# KiCad board Engine.kicad_pcb (continued)
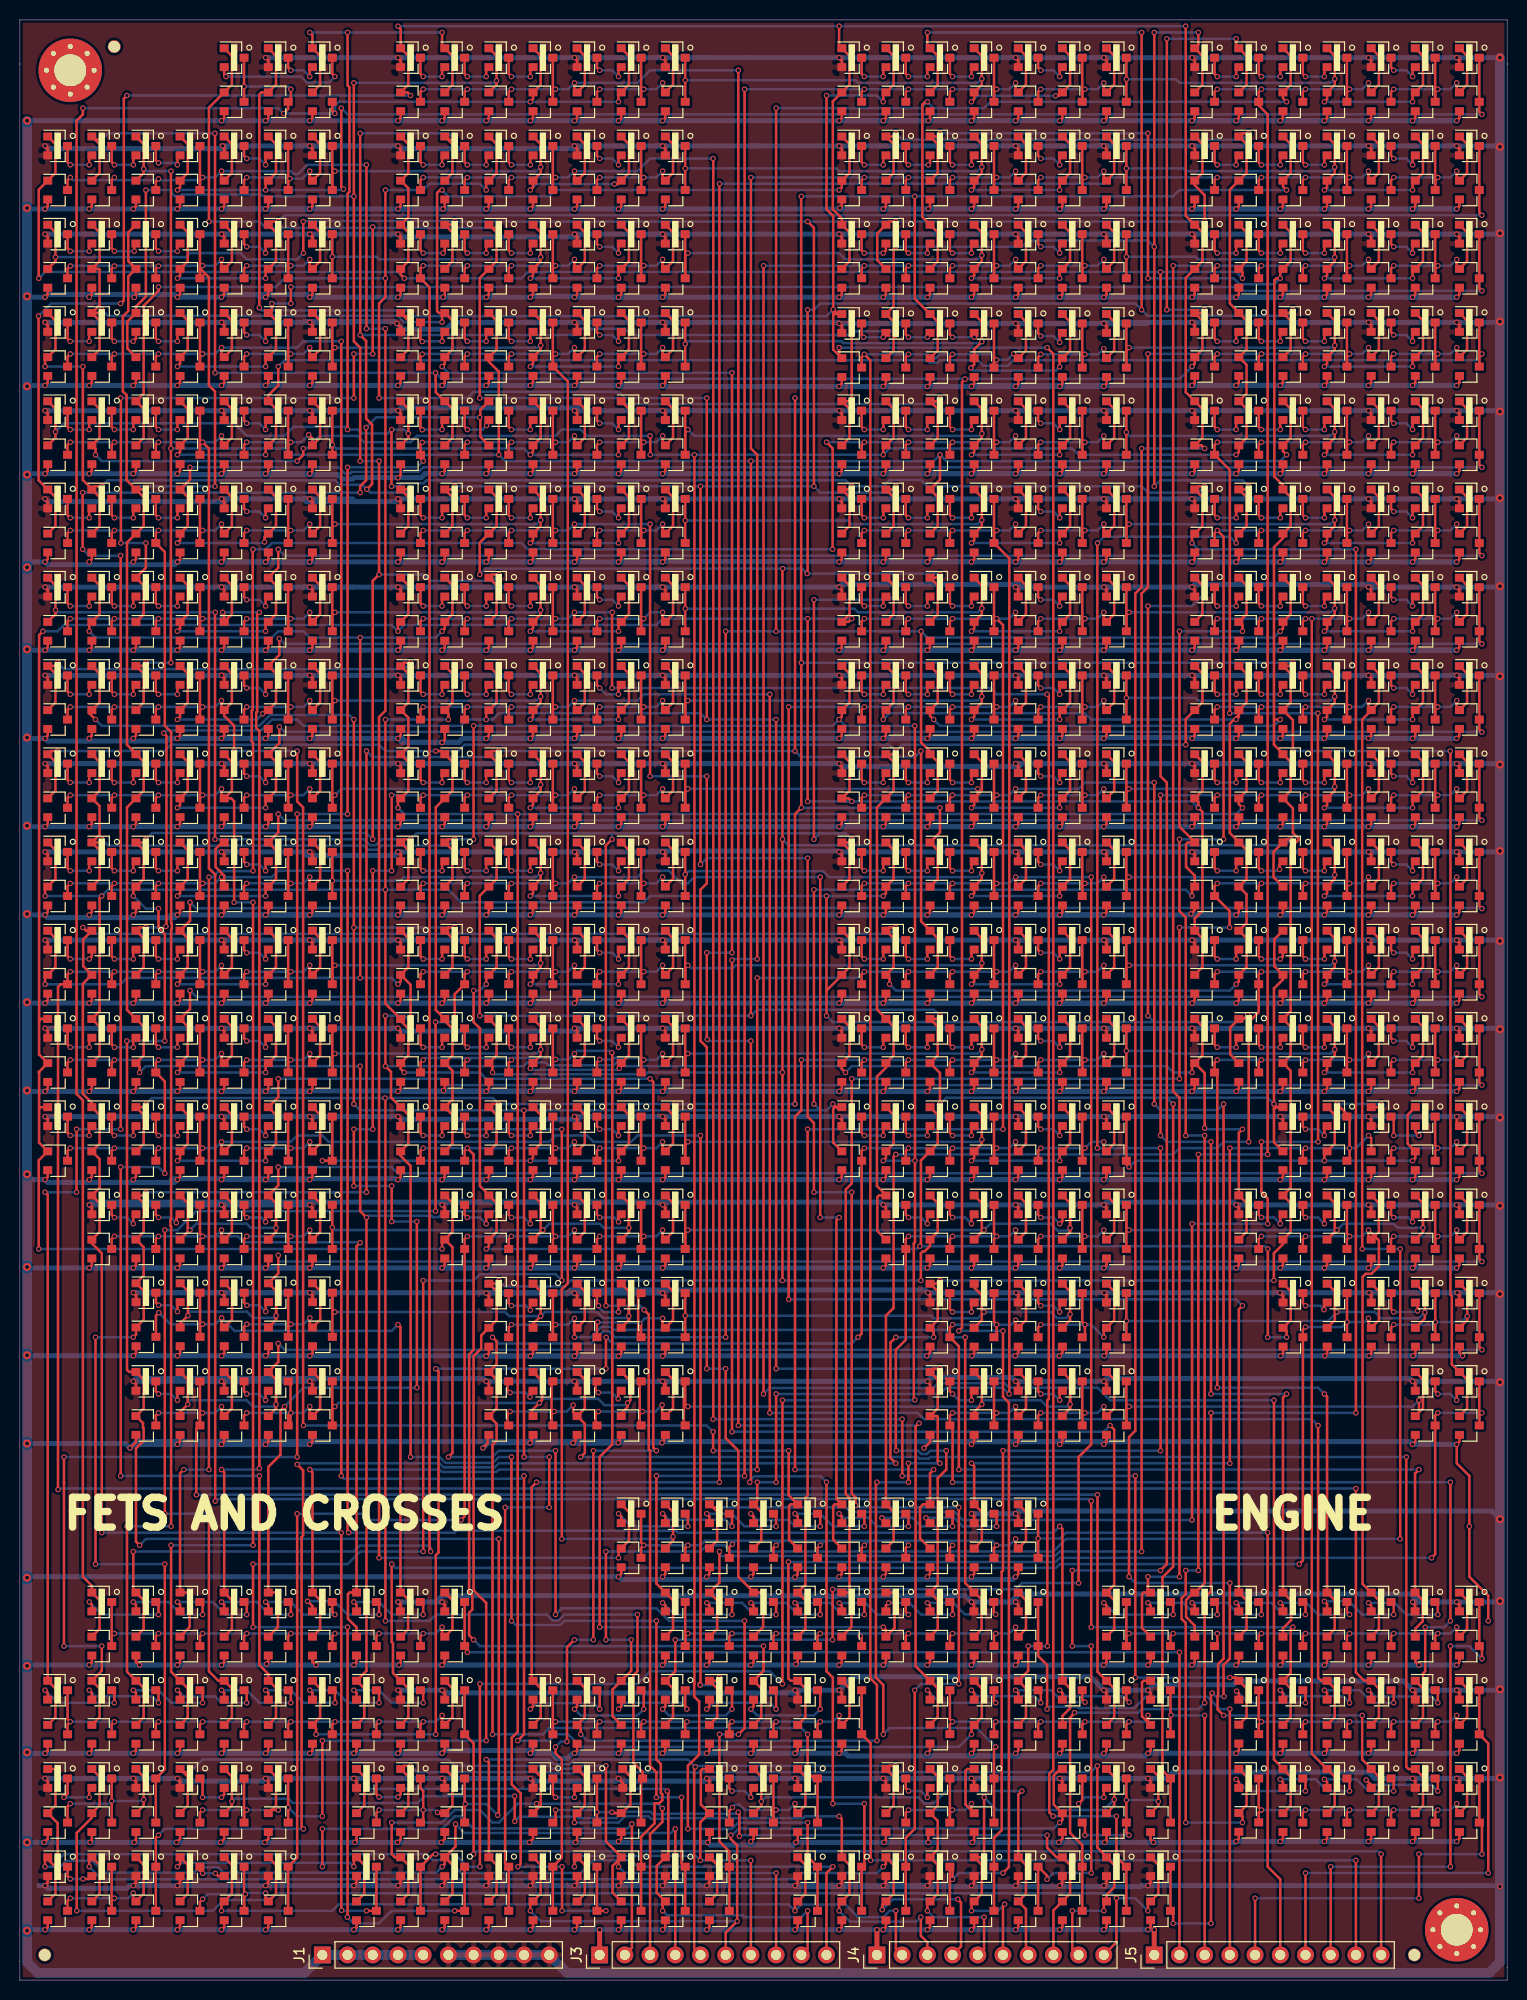
[diagram p0: board, top side]
## Routing (per net, layer and track width the routed paths; a pad name or vN(x,y) marks a point on that pad's centre or on a via; arc(x,y) is an arc through that point) (continued)
/Sheet6047D39E/OUT1: length 280.6
  Top w0.25: Q4.3 Q3.3 66.68,11.79 v1(66.68,18.41) ; Q523.1 39.15,110.95 39.15,113.84 Q525.1 38.37,114.57 38.73,114.93 v1(39.37,114.93) ; Q537.1 83.6,110.95 83.6,113.84 Q539.1 83.5,114.61 v1(83.82,114.93) ; 2.81,141.28 3.59,140.51 v1(3.59,138.02) 3.59,137.62 Q621.1 ; Q650.1 88.04,137.62 88.04,140.51 87.27,141.28 88.27,140.28 v1(88.27,139.7) ; v1(62.9,67.52) 63.37,67.05 63.37,53.47 63.5,53.34 63.5,21.59 64.14,20.95 v1(64.14,18.41) ; v1(80.01,114.93) v1(80.01,139.06) ; v1(59.67,114.93) 59.04,114.31 59.04,67.96 v1(59.05,67.94) ; v1(19.68,137.79) 19.66,137.77 v1(19.66,114.93)
  Bottom w0.25: v1(59.05,67.94) 62.48,67.94 v1(62.9,67.52) ; v1(80.01,139.06) 87.63,139.06 v1(88.27,139.7) ; v1(64.14,18.41) v1(66.68,18.41) ; v1(19.66,114.93) 34.67,114.93 35.27,114.33 35.85,114.33 36.45,114.93 v1(39.37,114.93) 39.97,115.54 59.66,115.54 ; 83.22,115.54 59.66,115.54 ; 83.22,115.54 v1(83.82,114.93) ; 83.22,115.54 80.61,115.54 v1(80.01,114.93) ; 59.66,115.54 59.66,114.95 v1(59.67,114.93) ; v1(3.59,138.02) 3.81,137.79 v1(19.68,137.79)
/Sheet6047D39E/OUT2: length 376.1
  Top w0.25: Q6.3 Q5.3 62.59,14.44 63.95,15.79 63.95,17.81 64.42,17.81 64.74,18.13 64.74,18.7 64.59,18.85 64.59,21.77 64.14,22.22 v1(64.14,36.19) ; Q243.1 123.6,75.39 123.6,78.28 Q245.1 122.83,85.36 v1(123.19,85.72) ; Q553.1 3.59,104.95 3.59,102.06 Q551.1 2.54,101.01 v1(2.54,100.33) ; Q567.1 39.15,104.95 39.15,102.06 Q565.1 ; Q565.1 38.37,100.6 v1(38.1,100.33) ; Q565.1 39.37,100.28 v1(39.37,96.52) ; Q469.1 83.6,96.06 83.6,93.17 Q467.1 82.82,91.8 v1(83.19,91.44) ; Q483.1 119.16,96.06 119.16,93.17 Q481.1 ; Q481.1 119.38,91.39 v1(119.38,85.84) ; Q481.1 118.11,92.12 v1(118.11,91.44) ; 7.26,141.28 8.03,140.51 8.03,137.62 Q622.1 6.99,136.57 v1(6.99,135.89) ; 42.81,141.28 43.59,140.51 43.59,137.62 Q636.1 42.81,136.16 v1(42.54,135.89) ; v1(34.29,100.96) v1(34.29,135.25) ; v1(39.37,52.7) 39.37,82.04 38.37,83.04 Q373.1 39.15,84.28 39.15,87.17 Q375.1 37.4,88.92 37.4,91.51 v1(36.83,92.07) v1(36.83,97.15) ; v1(49.53,36.19) v1(49.53,52.7)
  Bottom w0.25: v1(39.37,96.52) 38.73,97.15 v1(36.83,97.15) ; v1(49.53,52.7) 48.26,52.7 47.66,52.1 42.89,52.1 42.29,52.7 v1(39.37,52.7) ; v1(123.19,85.72) 119.5,85.72 v1(119.38,85.84) ; v1(6.99,135.89) 7.62,135.25 25.4,135.25 26.03,135.89 28.57,135.89 29.21,135.25 41.91,135.25 v1(42.54,135.89) ; v1(118.11,91.44) 116.2,91.44 115.57,92.07 83.82,92.07 v1(83.19,91.44) 82.55,92.07 61.07,92.07 60.69,92.46 60.11,92.46 59.81,92.16 53.26,92.16 52.96,92.46 51.14,92.46 50.76,92.07 v1(36.83,92.07) ; v1(2.54,100.33) 10.16,100.33 10.79,100.96 v1(34.29,100.96) 37.46,100.96 v1(38.1,100.33) ; v1(64.14,36.19) 54.86,36.19 54.45,35.78 49.95,35.78 v1(49.53,36.19)
/Sheet6047D39E/OUT3: length 277
  Top w0.25: Q7.3 Q8.3 v1(59.05,6.98) ; Q512.1 123.6,122.73 123.6,119.84 Q510.1 122.83,118.47 v1(123.19,118.11) ; Q677.1 3.59,128.73 3.59,131.62 Q679.1 3.49,132.39 v1(3.81,132.71) ; v1(54.63,11.43) v1(54.63,6.98) ; v1(39.37,132.71) 38.69,132.71 Q693.1 39.15,131.62 39.15,128.73 Q691.1 39.15,127.17 39.15,124.28 Q609.1 39.15,122.73 39.15,119.84 Q607.1 38.1,118.79 v1(38.1,118.11) ; v1(50.19,11.43) 50.46,11.71 50.46,18.83 49.56,19.72 49.56,24.42 50.16,25.02 v1(50.16,117.47)
  Bottom w0.25: v1(38.1,118.11) 38.73,117.47 v1(50.16,117.47) 122.55,117.47 v1(123.19,118.11) ; v1(54.63,6.98) v1(59.05,6.98) ; v1(39.37,132.71) 38.73,132.08 4.44,132.08 v1(3.81,132.71) ; v1(50.19,11.43) v1(54.63,11.43)
/Sheet6047D39E/OUT4: length 409.3
  Top w0.25: Q10.3 Q9.3 54.61,12.33 54.61,22.22 53.98,22.86 v1(53.98,23.5) ; Q540.1 88.04,113.84 88.04,110.95 Q538.1 87.27,109.49 v1(87,109.22) ; Q581.1 3.59,113.84 3.59,110.95 Q579.1 2.54,109.9 v1(2.54,109.22) ; Q413.1 83.6,104.95 83.6,102.06 Q411.1 82.82,101.23 81.28,99.69 ; Q440.1 8.03,93.17 8.03,96.06 Q442.1 8.03,97.61 8.03,109 v1(8.26,109.22) ; Q663.1 119.16,137.62 119.16,140.51 118.38,141.28 119.38,140.28 v1(119.38,139.7) ; Q694.1 43.59,131.62 43.59,128.73 Q692.1 43.18,127.58 v1(43.18,127) ; Q482.1 121.95,93.26 121.95,95.96 Q484.1 123.29,96.83 v1(123.72,97.26) ; v1(113.67,97.15) v1(113.67,138.43) ; v1(55.88,34.29) 55.13,33.54 v1(55.13,24.03) 55.24,24.15 ; v1(57.79,53.34) v1(57.79,34.29) ; 81.28,99.69 v1(81.28,109.22) ; 81.28,99.69 v1(81.28,97.15) ; v1(64.14,53.34) 63.82,53.65 63.82,90.48 v1(63.5,90.8) ; v1(36.83,127) v1(36.83,109.85) 36.83,98.37 Q455.1 38.37,96.63 39.15,95.86 39.15,93.17 Q453.1 38.37,91.8 v1(38.73,91.44)
  Bottom w0.25: v1(38.73,91.44) 46.35,91.44 46.99,90.8 v1(63.5,90.8) ; 114.3,96.52 122.98,96.52 v1(123.72,97.26) ; 114.3,96.52 81.92,96.52 v1(81.28,97.15) ; 114.3,96.52 v1(113.67,97.15) ; v1(113.67,138.43) 118.11,138.43 v1(119.38,139.7) ; v1(36.83,127) v1(43.18,127) ; 81.92,109.22 63.5,109.22 62.87,108.58 44.45,108.58 43.18,109.85 v1(36.83,109.85) 8.89,109.85 v1(8.26,109.22) v1(2.54,109.22) ; 81.92,109.22 v1(87,109.22) ; 81.92,109.22 v1(81.28,109.22) ; v1(64.14,53.34) v1(57.79,53.34) ; v1(53.98,23.5) 54.51,24.03 v1(55.13,24.03) ; v1(57.79,34.29) v1(55.88,34.29)
/Sheet6047D39E/OUT5: length 333.6
  Top w0.25: Q12.3 Q11.3 48.9,11.79 v1(48.9,47.62) ; Q566.1 43.59,102.06 43.59,104.95 Q568.1 43.13,106.04 v1(43.81,106.04) ; 122.83,141.28 123.6,140.51 123.6,137.62 Q664.1 123.19,136.47 v1(123.19,135.89) ; Q680.1 8.03,131.62 8.03,128.73 Q678.1 7.26,127.9 6.99,127.63 v1(7.62,127) ; v1(116.84,135.89) 116.84,116.2 118.38,114.66 Q595.1 117.68,114.61 117.51,114.44 117.51,112.15 118.38,111.28 Q593.1 118.11,109.9 v1(118.11,109.22) ; v1(53.34,47.62) v1(53.34,52.7) ; v1(50.78,87.63) 50.8,87.61 v1(50.8,52.7) ; v1(33.66,127) v1(33.66,106.04) v1(33.66,88.26) ; v1(80.01,109.85) v1(80.01,88.26) ; v1(81.92,88.26) 82.23,87.94 Q389.1 82.12,87.94 81.95,87.77 81.95,84.37 Q387.1
  Bottom w0.25: v1(118.11,109.22) 117.48,109.85 v1(80.01,109.85) ; v1(53.34,52.7) v1(50.8,52.7) ; v1(33.66,127) 33.2,127.45 25.23,127.45 24.14,126.36 8.26,126.36 v1(7.62,127) ; 80.65,87.63 34.29,87.63 v1(33.66,88.26) ; 80.65,87.63 81.28,87.63 v1(81.92,88.26) ; 80.65,87.63 v1(80.01,88.26) ; v1(48.9,47.62) v1(53.34,47.62) ; v1(116.84,135.89) v1(123.19,135.89) ; v1(33.66,106.04) v1(43.81,106.04)
/Sheet6047D39E/OUT6: length 376.4
  Top w0.25: Q13.3 Q14.3 v1(43.81,6.98) ; Q721.1 119.16,131.62 119.16,128.73 Q719.1 117.48,127.04 v1(117.48,124.46) ; Q733.1 3.59,119.84 3.59,122.73 Q735.1 3.13,123.82 v1(3.81,123.82) ; Q374.1 43.59,84.28 43.59,85.95 ; 43.59,85.95 v1(43.81,85.72) ; 43.59,85.95 43.59,87.17 Q376.1 43.59,88.72 43.59,91.61 Q454.1 43.59,93.17 43.59,95.86 42.81,96.63 Q456.1 41.91,97.74 41.91,118.15 Q608.1 43.59,119.84 43.59,122.73 Q610.1 42.49,123.82 v1(41.91,123.82) ; v1(88.27,123.82) 87.95,123.5 Q498.1 88.04,122.73 88.04,119.84 Q496.1 86.36,118.15 86.36,97.79 87.27,96.88 Q470.1 88.04,96.06 88.04,93.17 Q468.1 87.27,91.93 86.36,91.02 86.36,80.01 87.27,79.1 Q281.1 86.57,79.05 86.39,78.88 86.39,75.48 Q279.1 ; v1(33.02,35.56) 33.02,6.37 v1(33,6.35) ; v1(23.49,35.56) v1(23.49,41.91) ; v1(54.61,85.72) v1(54.61,70.48) ; v1(40.64,43.18) v1(40.64,70.48)
  Bottom w0.25: v1(54.61,85.72) v1(43.81,85.72) ; v1(40.64,43.18) 34.29,43.18 33.02,41.91 v1(23.49,41.91) ; v1(33,6.35) 33.63,5.72 36.2,5.72 37.46,6.98 v1(43.81,6.98) ; v1(33.02,35.56) v1(23.49,35.56) ; v1(54.61,70.48) 53.98,71.12 46.35,71.12 45.72,70.48 v1(40.64,70.48) ; v1(117.48,124.46) 88.9,124.46 v1(88.27,123.82) 87.63,124.46 44.81,124.46 44.17,123.82 v1(41.91,123.82) 36.83,123.82 36.2,124.46 15.22,124.46 14.59,123.82 v1(3.81,123.82)
/Sheet6047D39E/OUT7: length 304.3
  Top w0.25: Q16.3 Q15.3 41.64,12.7 v1(41.89,12.7) ; Q524.1 43.59,110.95 43.59,113.84 Q526.1 43.13,114.93 v1(43.81,114.93) ; Q582.1 8.03,113.84 8.03,110.95 Q580.1 ; Q582.1 7.94,114.61 v1(8.26,114.93) ; Q582.1 8.03,115.39 8.03,118.28 Q734.1 8.03,119.84 8.03,122.73 Q736.1 ; Q707.1 83.6,131.62 83.6,128.73 Q705.1 82.82,127.27 v1(82.55,127) ; Q390.1 88.04,87.17 88.04,84.28 Q388.1 87.27,82.82 v1(87,82.55) ; v1(45.72,126.36) v1(45.72,114.93) ; v1(76.84,29.84) v1(76.84,58.42) ; v1(46.35,29.84) v1(46.35,11.43) ; 90.17,58.42 90.19,58.44 v1(90.19,58.45) 90.08,58.57 90.08,74.23 90.19,74.34 v1(90.19,82.55) 90.19,123.53 90.18,123.54 90.18,126.35 v1(90.17,126.36)
  Bottom w0.25: v1(45.72,126.36) 81.92,126.36 v1(82.55,127) 83.19,126.36 v1(90.17,126.36) ; v1(76.84,58.42) 90.16,58.42 v1(90.19,58.45) ; v1(76.84,29.84) 75.57,31.11 63.5,31.11 62.23,29.84 v1(46.35,29.84) ; v1(41.89,12.7) 43.81,12.7 45.09,11.43 v1(46.35,11.43) ; v1(87,82.55) v1(90.19,82.55) ; v1(45.72,114.93) v1(43.81,114.93) 43.18,114.3 36.45,114.3 36.03,113.88 35.09,113.88 34.67,114.3 8.89,114.3 v1(8.26,114.93)
/Sheet6047D39E/OUT8: length 339.7
  Top w0.25: Q17.3 Q18.3 v1(34.92,6.98) ; Q708.1 88.04,131.62 88.04,128.73 Q706.1 87,127.68 v1(87,127) ; Q722.1 123.6,131.62 123.6,128.73 Q720.1 ; Q720.1 122.83,127.49 121.92,126.58 121.92,115.57 122.83,114.66 Q596.1 123.6,113.84 123.6,110.95 Q594.1 123.6,109.39 123.6,106.5 Q428.1 123.6,104.95 123.6,102.06 Q426.1 122.83,100.6 v1(122.55,100.33) ; Q720.1 122.83,127.27 v1(122.55,127) ; v1(87.63,100.33) 87.63,100.91 Q412.1 88.04,102.06 88.04,104.95 Q414.1 87.59,106.04 v1(88.27,106.04) ; v1(32.42,7.03) 32.38,7.07 v1(32.38,45.08) ; v1(8.26,45.08) 8.26,73.22 7.26,74.22 Q255.1 8.03,75.39 8.03,78.28 Q257.1 8.03,79.83 8.03,82.72 Q360.1 8.03,84.28 8.03,87.17 Q362.1 7.26,88.38 6.35,89.28 6.35,100.37 Q552.1 6.38,102.15 6.38,104.85 Q554.1 6.67,105.72 v1(6.35,106.04)
  Bottom w0.25: v1(32.42,7.03) 32.47,6.98 v1(34.92,6.98) ; v1(6.35,106.04) 6.99,105.41 87.63,105.41 v1(88.27,106.04) ; v1(122.55,100.33) 121.92,99.69 88.27,99.69 v1(87.63,100.33) ; v1(8.26,45.08) v1(32.38,45.08) ; v1(87,127) 87.63,127.63 107.32,127.63 107.95,127 v1(122.55,127)
/sheet6055E6A3/Block: length 46.8
  Top w0.25: Q836.1 52.48,176.07 v1(52.48,173.58) 52.48,173.18 Q838.1 51.7,171.72 v1(51.43,171.45) ; Q843.1 61.37,176.07 61.37,173.18 Q844.1 60.32,172.13 v1(60.32,171.45) ; Q1069.3 v1(31.48,173.62) Q1070.3
  Bottom w0.25: v1(51.43,171.45) v1(60.32,171.45) ; v1(52.48,173.58) 52.26,173.35 36.2,173.35 35.92,173.62 v1(31.48,173.62)
/sheet6055E6A3/sheet606C7A55/Block: length 48.6
  Top w0.25: Q920.1 132.49,167.18 v1(132.49,164.69) 132.49,164.29 Q922.1 131.72,162.83 v1(131.44,162.56) ; Q927.1 141.38,167.18 141.38,164.29 Q928.1 140.33,163.24 v1(140.33,162.56) ; Q909.3 Q910.3 111.49,164.19 v1(111.76,164.47)
  Bottom w0.25: v1(131.44,162.56) v1(140.33,162.56) ; v1(132.49,164.69) 132.27,164.47 v1(111.76,164.47)
/sheet6055E6A3/sheet606C7A55/sheet6054A98B/sheet5E562435/A: length 20
  Top w0.25: Q923.1 145.83,167.18 145.83,164.29 Q924.1 144.78,163.78 v1(144.78,164.47) ; Q927.3 Q928.3 142.6,163.56 v1(142.88,163.83) ; v1(138.43,163.83) 138.16,163.56 Q925.3
  Bottom w0.25: v1(138.43,163.83) v1(142.88,163.83) 144.14,163.83 v1(144.78,164.47)
/sheet6055E6A3/sheet606C7A56/Block: length 153.4
  Top w0.25: Q923.3 Q924.3 147.05,163.56 v1(147.32,163.83) ; 16.15,159.06 16.92,158.29 16.92,155.4 Q936.1 16.15,153.94 v1(15.87,153.67) ; v1(24.77,153.67) 24.77,154.35 Q942.1 25.81,155.4 25.81,158.29 25.03,159.06 25.03,159.66 26.03,160.66 v1(26.03,162.56)
  Bottom w0.25: v1(15.87,153.67) v1(24.77,153.67) ; v1(147.32,163.83) 146.69,163.19 100.1,163.19 99.54,162.63 97.08,162.63 96.52,163.19 92.71,163.19 92.45,162.93 91.7,162.93 91.44,163.19 26.67,163.19 v1(26.03,162.56)
/sheet6055E6A3/sheet606C7A56/sheet6054A98B/sheet5E562435/A: length 20.1
  Top w0.25: 29.48,159.06 30.26,158.29 30.26,155.4 Q938.1 29.48,155.31 v1(29.1,155.68) ; Q941.3 Q942.3 27.03,154.67 v1(27.3,154.94) ; v1(22.86,154.94) 22.59,154.67 Q939.3
  Bottom w0.25: v1(22.86,154.94) v1(27.3,154.94) 28.36,154.94 v1(29.1,155.68)
/sheet6055E6A3/sheet606C7A57/Block: length 46
  Top w0.25: 51.7,159.06 52.48,158.29 52.48,155.4 Q950.1 51.7,153.94 v1(51.43,153.67) ; 60.59,159.06 61.37,158.29 61.37,155.4 Q956.1 60.32,154.35 v1(60.32,153.67) ; Q937.3 v1(31.48,154.67) Q938.3
  Bottom w0.25: v1(60.32,153.67) v1(51.43,153.67) 50.8,154.31 31.84,154.31 v1(31.48,154.67)
/sheet6055E6A3/sheet606C7A57/sheet6054A98B/sheet5E562435/A: length 20
  Top w0.25: 65.04,159.06 65.82,158.29 65.82,155.4 Q952.1 64.77,154.89 v1(64.77,155.57) ; Q955.3 Q956.3 62.59,154.67 v1(62.87,154.94) ; v1(58.42,154.94) 58.15,154.67 Q953.3
  Bottom w0.25: v1(58.42,154.94) v1(62.87,154.94) 64.14,154.94 v1(64.77,155.57)
/sheet6055E6A3/sheet6071E22D/Block: length 151.9
  Top w0.25: Q867.3 Q868.3 147.05,170.45 v1(147.32,170.18) ; Q878.1 16.92,167.18 16.92,164.29 Q880.1 16.15,162.83 v1(15.87,162.56) ; v1(24.77,162.56) 24.77,163.24 Q886.1 25.81,164.29 25.81,167.18 Q885.1 25.4,168.32 v1(25.4,168.91) ; v1(27.3,170.57) v1(27.3,168.91)
  Bottom w0.25: v1(15.87,162.56) v1(24.77,162.56) ; v1(27.3,170.57) 122.54,170.57 122.94,170.18 v1(147.32,170.18) ; v1(27.3,168.91) v1(25.4,168.91)
/sheet6055E6A3/sheet6071E22D/sheet6054A98B/sheet5E562435/A: length 20
  Top w0.25: Q881.1 30.26,167.18 30.26,164.29 Q882.1 29.21,163.78 v1(29.21,164.47) ; Q885.3 Q886.3 27.03,163.56 v1(27.3,163.83) ; v1(22.86,163.83) 22.59,163.56 Q883.3
  Bottom w0.25: v1(22.86,163.83) v1(27.3,163.83) 28.57,163.83 v1(29.21,164.47)
/sheet6055E6A3/sheet6071E22E/Block: length 48.5
  Top w0.25: Q881.3 Q882.3 31.48,164.19 v1(31.75,164.47) ; Q892.1 52.48,167.18 v1(52.48,164.69) 52.48,164.29 Q894.1 51.7,162.83 v1(51.43,162.56) ; Q899.1 61.37,167.18 61.37,164.29 Q900.1 60.32,163.24 v1(60.32,162.56)
  Bottom w0.25: v1(51.43,162.56) v1(60.32,162.56) ; v1(31.75,164.47) 52.26,164.47 v1(52.48,164.69)
/sheet6055E6A3/sheet6071E22E/sheet6054A98B/sheet5E562435/A: length 20
  Top w0.25: Q895.1 65.82,167.18 65.82,164.29 Q896.1 64.77,163.78 v1(64.77,164.47) ; Q899.3 Q900.3 62.59,163.56 v1(62.87,163.83) ; v1(58.42,163.83) 58.15,163.56 Q897.3
  Bottom w0.25: v1(58.42,163.83) v1(62.87,163.83) 64.14,163.83 v1(64.77,164.47)
/sheet6055E6A3/sheet6071E22F/Block: length 56.1
  Top w0.25: Q913.1 105.82,167.07 105.82,164.18 Q914.1 104.78,163.13 v1(104.78,162.53) ; Q906.1 96.93,167.07 v1(96.93,165.07) 96.16,164.29 Q908.1 96.16,162.76 v1(95.82,162.43) ; Q896.3 v1(67.04,164.83) Q895.3
  Bottom w0.25: v1(104.78,162.53) 104.4,162.15 96.1,162.15 v1(95.82,162.43) ; v1(67.04,164.83) 67.31,165.1 82.8,165.1 82.99,164.92 96.78,164.92 v1(96.93,165.07)
/sheet6055E6A3/sheet6071E22F/sheet6054A98B/sheet5E562435/A: length 20.1
  Top w0.25: Q909.1 110.27,167.07 110.27,164.18 Q910.1 109.22,163.67 v1(109.22,164.36) ; Q913.3 Q914.3 107.05,163.53 v1(107.32,163.8) ; v1(102.87,163.8) 102.6,163.53 Q911.3
  Bottom w0.25: v1(102.87,163.8) v1(107.32,163.8) 108.66,163.8 v1(109.22,164.36)
/sheet6055E6A3/sheet60719C5D/sheet6054A98B/sheet5E562435/A: length 20
  Top w0.25: Q839.1 65.82,176.07 65.82,173.18 Q840.1 64.77,172.67 v1(64.77,173.35) ; Q843.3 Q844.3 62.59,172.45 v1(62.87,172.72) ; v1(58.42,172.72) 58.15,172.45 Q841.3
  Bottom w0.25: v1(58.42,172.72) v1(62.87,172.72) 64.14,172.72 v1(64.77,173.35)
/sheet6055E6A3/sheet60719C5E/Block: length 58.3
  Top w0.25: Q839.3 Q840.3 67.04,173.72 v1(67.31,173.99) ; Q850.1 96.93,176.07 v1(96.93,173.77) 96.93,173.18 Q852.1 96.16,171.72 v1(95.89,171.45) ; Q857.1 105.82,176.07 105.82,173.18 Q858.1 104.78,172.13 v1(104.78,171.45)
  Bottom w0.25: v1(95.89,171.45) v1(104.78,171.45) ; v1(96.93,173.77) 96.52,173.35 83.19,173.35 82.55,173.99 v1(67.31,173.99)
/sheet6055E6A3/sheet60719C5E/sheet6054A98B/sheet5E562435/A: length 20
  Top w0.25: Q853.1 110.27,176.07 110.27,173.18 Q854.1 109.22,172.67 v1(109.22,173.35) ; Q857.3 Q858.3 107.05,172.45 v1(107.32,172.72) ; v1(102.87,172.72) 102.6,172.45 Q855.3
  Bottom w0.25: v1(102.87,172.72) v1(107.32,172.72) 108.59,172.72 v1(109.22,173.35)
/sheet6055E6A3/sheet60719C5F/Block: length 46.8
  Top w0.25: Q864.1 132.49,176.07 v1(132.49,173.58) 132.49,173.18 Q866.1 131.72,171.72 v1(131.44,171.45) ; Q871.1 141.38,176.07 141.38,173.18 Q872.1 140.33,172.13 v1(140.33,171.45) ; Q854.3 v1(111.49,173.62) Q853.3
  Bottom w0.25: v1(131.44,171.45) v1(140.33,171.45) ; v1(132.49,173.58) 132.27,173.35 118.75,173.35 118.48,173.62 v1(111.49,173.62)
/sheet6055E6A3/sheet60719C5F/sheet6054A98B/sheet5E562435/A: length 20
  Top w0.25: Q867.1 145.83,176.07 145.83,173.18 Q868.1 144.78,172.67 v1(144.78,173.35) ; Q871.3 Q872.3 142.6,172.45 v1(142.88,172.72) ; v1(138.43,172.72) 138.16,172.45 Q869.3
  Bottom w0.25: v1(138.43,172.72) v1(142.88,172.72) 144.14,172.72 v1(144.78,173.35)
/sheet6058F8AB/Block: length 58.3
  Top w0.25: Q951.3 Q952.3 67.04,155.94 v1(67.31,156.21) ; 96.16,159.06 96.93,158.29 v1(96.93,155.8) 96.93,155.4 Q754.1 96.16,153.94 v1(95.89,153.67) ; 105.05,159.06 105.82,158.29 105.82,155.4 Q760.1 104.78,154.35 v1(104.78,153.67)
  Bottom w0.25: v1(95.89,153.67) v1(104.78,153.67) ; v1(67.31,156.21) 67.95,155.57 96.71,155.57 v1(96.93,155.8)
/sheet6058F8AB/sheet606D52B7/sheet6054A98B/sheet5E562435/A: length 20
  Top w0.25: 109.49,159.06 110.27,158.29 110.27,155.4 Q756.1 109.22,154.89 v1(109.22,155.57) ; Q759.3 Q760.3 107.05,154.67 v1(107.32,154.94) ; v1(102.87,154.94) 102.6,154.67 Q757.3
  Bottom w0.25: v1(109.22,155.57) 108.59,154.94 v1(107.32,154.94) v1(102.87,154.94)
/sheet6058F8AB/sheet606D52B8/Block: length 47
  Top w0.25: 131.72,159.06 132.49,158.29 v1(132.49,155.99) 132.49,155.4 Q768.1 131.72,153.94 v1(131.44,153.67) ; 140.6,159.06 141.38,158.29 141.38,155.4 Q774.1 140.33,154.35 v1(140.33,153.67) ; Q756.3 v1(111.49,155.94) Q755.3
  Bottom w0.25: v1(131.44,153.67) v1(140.33,153.67) ; v1(132.49,155.99) 132.08,155.57 111.76,155.57 111.49,155.84 v1(111.49,155.94)
/sheet6058F8AB/sheet606D52B8/sheet6054A98B/sheet5E562435/A: length 20
  Top w0.25: 145.05,159.06 145.83,158.29 145.83,155.4 Q770.1 144.78,154.89 v1(144.78,155.57) ; Q773.3 Q774.3 142.6,154.67 v1(142.88,154.94) ; v1(138.43,154.94) 138.16,154.67 Q771.3
  Bottom w0.25: v1(138.43,154.94) v1(142.88,154.94) 144.14,154.94 v1(144.78,155.57)
/sheet6058F8AB/sheet606D52B9/Block: length 160.2
  Top w0.25: Q769.3 Q770.3 147.05,152.67 v1(147.32,152.4) ; Q787.1 25.81,149.4 25.81,146.51 Q788.1 24.66,145.35 v1(24.66,144.89) ; v1(15.87,144.78) 16.15,145.05 Q782.1 16.92,146.51 16.92,149.4 Q780.1 17.14,151.17 v1(17.14,152.4)
  Bottom w0.25: v1(15.87,144.78) 24.55,144.78 v1(24.66,144.89) ; v1(17.14,152.4) 32.13,152.4 32.73,151.8 33.31,151.8 33.46,151.95 40.19,151.95 40.64,152.4 v1(147.32,152.4)
/sheet6058F8AB/sheet606D52B9/sheet6054A98B/sheet5E562435/A: length 20
  Top w0.25: Q783.1 30.26,149.4 30.26,146.51 Q784.1 29.21,146 v1(29.21,146.69) ; Q787.3 Q788.3 27.03,145.78 v1(27.3,146.05) ; v1(22.86,146.05) 22.59,145.78 Q785.3
  Bottom w0.25: v1(22.86,146.05) v1(27.3,146.05) 28.57,146.05 v1(29.21,146.69)
/sheet6058F8AB/sheet606D52BA/Block: length 48.5
  Top w0.25: Q783.3 Q784.3 31.48,146.41 v1(31.75,146.69) ; Q794.1 52.48,149.4 v1(52.48,147.1) 52.48,146.51 Q796.1 51.7,145.05 v1(51.43,144.78) ; Q801.1 61.37,149.4 61.37,146.51 Q802.1 60.32,145.46 v1(60.32,144.78)
  Bottom w0.25: v1(51.43,144.78) v1(60.32,144.78) ; v1(52.48,147.1) 52.07,146.69 v1(31.75,146.69)
/sheet6058F8AB/sheet606D52BA/sheet6054A98B/sheet5E562435/A: length 20
  Top w0.25: Q797.1 65.82,149.4 65.82,146.51 Q798.1 64.77,146 v1(64.77,146.69) ; Q801.3 Q802.3 62.59,145.78 v1(62.87,146.05) ; v1(58.42,146.05) 58.15,145.78 Q799.3
  Bottom w0.25: v1(58.42,146.05) v1(62.87,146.05) 64.14,146.05 v1(64.77,146.69)
/sheet6058F8AB/sheet606D52BB/Block: length 55.8
  Top w0.25: Q808.1 96.93,149.4 v1(96.93,147.1) 96.93,146.51 Q810.1 96.16,145.05 v1(95.89,144.78) ; Q815.1 105.82,149.4 105.82,146.51 Q816.1 104.78,145.46 v1(104.78,144.78) ; Q797.3 v1(67.04,147.05) Q798.3
  Bottom w0.25: v1(95.89,144.78) v1(104.78,144.78) ; v1(96.93,147.1) 96.52,146.69 83.82,146.69 83.45,147.05 v1(67.04,147.05)
/sheet6058F8AB/sheet606D52BB/sheet6054A98B/sheet5E562435/A: length 20
  Top w0.25: Q811.1 110.27,149.4 110.27,146.51 Q812.1 109.22,146 v1(109.22,146.69) ; Q815.3 Q816.3 107.05,145.78 v1(107.32,146.05) ; v1(102.87,146.05) 102.6,145.78 Q813.3
  Bottom w0.25: v1(102.87,146.05) v1(107.32,146.05) 108.59,146.05 v1(109.22,146.69)
/sheet6058F8AB/sheet606D52BC/Block: length 48.5
  Top w0.25: Q811.3 Q812.3 111.49,146.41 v1(111.76,146.69) ; Q822.1 132.49,149.4 v1(132.49,147.1) 132.49,146.51 Q824.1 131.72,145.05 v1(131.44,144.78) ; Q829.1 141.38,149.4 141.38,146.51 Q830.1 140.33,145.46 v1(140.33,144.78)
  Bottom w0.25: v1(131.44,144.78) v1(140.33,144.78) ; v1(132.49,147.1) 132.08,146.69 v1(111.76,146.69)
/sheet6058F8AB/sheet606D52BC/sheet6054A98B/sheet5E562435/A: length 20
  Top w0.25: Q825.1 145.83,149.4 145.83,146.51 Q826.1 144.78,146 v1(144.78,146.69) ; Q829.3 Q830.3 142.6,145.78 v1(142.88,146.05) ; v1(138.43,146.05) 138.16,145.78 Q827.3
  Bottom w0.25: v1(138.43,146.05) v1(142.88,146.05) 144.14,146.05 v1(144.78,146.69)
/sheet6073F2C8/Block: length 151.8
  Top w0.25: Q489.3 Q490.3 147.05,90.44 v1(147.32,90.17) ; Q364.1 16.92,87.17 16.92,84.28 Q366.1 16.15,82.82 v1(15.87,82.55) ; v1(24.77,82.55) 24.77,83.23 Q372.1 25.81,84.28 25.81,87.17 Q371.1 26.03,88.94 v1(26.03,90.8)
  Bottom w0.25: v1(15.87,82.55) v1(24.77,82.55) ; v1(26.03,90.8) 42.38,90.8 43.01,90.17 v1(147.32,90.17)
/sheet6073F2C8/sheet606FFAAD/sheet6054A98B/sheet5E562435/A: length 20
  Top w0.25: Q367.1 30.26,87.17 30.26,84.28 Q368.1 29.21,83.77 v1(29.21,84.45) ; Q371.3 Q372.3 27.03,83.55 v1(27.3,83.82) ; v1(22.86,83.82) 22.59,83.55 Q369.3
  Bottom w0.25: v1(22.86,83.82) v1(27.3,83.82) 28.57,83.82 v1(29.21,84.45)
/sheet6073F2C8/sheet606FFAAE/Block: length 47.6
  Top w0.25: Q367.3 Q368.3 v1(30.48,82.55) ; Q378.1 52.48,87.17 52.48,84.28 Q380.1 51.7,82.82 v1(51.43,82.55) ; Q385.1 61.37,87.17 61.37,84.28 Q386.1 60.32,83.23 v1(60.32,82.55)
  Bottom w0.25: v1(60.32,82.55) v1(51.43,82.55) v1(30.48,82.55)
/sheet6073F2C8/sheet606FFAAE/sheet6054A98B/sheet5E562435/A: length 20
  Top w0.25: Q381.1 65.82,87.17 65.82,84.28 Q382.1 64.77,83.77 v1(64.77,84.45) ; Q385.3 Q386.3 62.59,83.55 v1(62.87,83.82) ; v1(58.42,83.82) 58.15,83.55 Q383.3
  Bottom w0.25: v1(58.42,83.82) v1(62.87,83.82) 64.14,83.82 v1(64.77,84.45)
/sheet6073F2C8/sheet606FFAAF/Block: length 57.4
  Top w0.25: Q381.3 Q382.3 67.04,84.18 v1(67.31,84.45) ; Q392.1 96.93,87.17 v1(96.93,84.68) 96.93,84.28 Q394.1 96.16,82.82 v1(95.89,82.55) ; Q399.1 105.82,87.17 105.82,84.28 Q400.1 104.78,83.23 v1(104.78,82.55)
  Bottom w0.25: v1(95.89,82.55) v1(104.78,82.55) ; v1(67.31,84.45) 96.71,84.45 v1(96.93,84.68)
/sheet6073F2C8/sheet606FFAAF/sheet6054A98B/sheet5E562435/A: length 20
  Top w0.25: Q395.1 110.27,87.17 110.27,84.28 Q396.1 109.22,83.77 v1(109.22,84.45) ; Q399.3 Q400.3 107.05,83.55 v1(107.32,83.82) ; v1(102.87,83.82) 102.6,83.55 Q397.3
  Bottom w0.25: v1(102.87,83.82) v1(107.32,83.82) 107.95,84.45 v1(109.22,84.45)
/sheet6073F2C8/sheet60758AB2/Block: length 46.3
  Top w0.25: Q395.3 Q396.3 111.49,82.18 v1(111.76,81.91) ; Q409.1 132.49,87.17 132.49,84.28 Q410.1 131.44,83.23 v1(131.44,82.55) ; Q405.1 139.83,87.17 139.83,84.28 Q406.1 140.6,82.82 v1(140.33,82.55)
  Bottom w0.25: v1(111.76,81.91) 112.4,82.55 v1(131.44,82.55) v1(140.33,82.55)
/sheet6073F2C8/sheet60758AB2/sheet6054A98B/sheet5E562435/A: length 18.8
  Top w0.25: v1(138.43,83.82) 138.16,83.55 Q403.3 ; Q401.1 145.83,87.17 145.83,84.28 Q402.1 144.78,83.77 v1(144.78,84.45) ; Q406.3 142.6,83.55 v1(142.88,83.82) 142.6,84.09 Q405.3
  Bottom w0.25: v1(138.43,83.82) v1(142.88,83.82) 144.14,83.82 v1(144.78,84.45)
/sheet6079A94F/Block: length 153.6
  Top w0.25: Q237.3 Q238.3 147.05,72.66 v1(147.32,72.39) ; 25.82,69.43 25.82,66.53 ; 25.82,69.43 Q289.1 26.03,71.19 v1(26.03,73.02) ; 25.82,69.43 v1(25.82,66.94) 25.82,66.53 ; 25.82,66.53 Q290.1 ; Q293.1 16.93,69.43 v1(16.93,66.94) 16.16,66.16 Q294.1
  Bottom w0.25: v1(16.93,66.94) 16.93,67.12 17.16,67.35 22.87,67.35 23.51,66.71 25.6,66.71 v1(25.82,66.94) ; v1(147.32,72.39) 26.03,72.39 v1(26.03,73.02)
/sheet6079A94F/sheet607A4A2C/Block: length 47.5
  Top w0.25: Q306.3 v1(111.49,66.4) Q305.3 ; Q323.1 132.5,69.39 132.5,69 ; v1(132.72,67.31) 132.5,67.52 132.5,69 ; Q324.1 132.5,66.5 132.5,69 ; Q319.1 141.57,69.21 141.57,66.67 Q320.1
  Bottom w0.25: v1(141.57,67.28) 140.97,66.67 137.16,66.67 136.52,67.31 v1(132.72,67.31) 131.81,66.4 v1(111.49,66.4)
/sheet6079A94F/sheet607A4A2C/sheet6054A98B/sheet5E562435/A: length 18.7
  Top w0.25: Q320.3 v1(142.62,66.3) Q319.3 ; Q316.1 145.84,66.5 v1(145.84,66.89) 145.84,69.39 Q315.1 ; Q317.3 138.17,65.78 v1(138.43,66.04)
  Bottom w0.25: v1(138.43,66.04) 142.36,66.04 v1(142.62,66.3) 145.25,66.3 v1(145.84,66.89)
/sheet6079A94F/sheet607A6A47/Block: length 49.9
  Top w0.25: Q286.3 Q285.3 31.49,67.57 v1(31.75,67.31) ; 61.37,69.39 61.37,66.5 ; 61.37,69.39 Q299.1 ; 61.37,69.39 v1(61.37,66.9) 61.37,66.5 ; 61.37,66.5 Q300.1 ; Q303.1 52.48,69.39 v1(52.48,66.9) 51.7,66.12 Q304.1
  Bottom w0.25: v1(31.75,67.31) 48.9,67.31 49.31,66.9 v1(52.48,66.9) 52.89,67.31 58.17,67.31 58.77,66.71 61.18,66.71 v1(61.37,66.9)
/sheet6079A94F/sheet607A6A47/sheet6054A98B/sheet5E562435/A: length 20.7
  Top w0.25: Q295.1 65.82,69.39 65.82,66.5 Q296.1 64.77,65.99 v1(64.77,66.67) ; Q297.3 58.15,66.21 v1(58.23,66.29) ; Q299.3 62.3,68.92 62.3,65.07 Q300.3 62.59,66 v1(62.45,66.14)
  Bottom w0.25: v1(64.77,66.67) 62.98,66.67 v1(62.45,66.14) 62.33,66.26 58.26,66.26 v1(58.23,66.29)
/sheet6079A94F/sheet607A7A7B/Block: length 55.3
  Top w0.25: Q314.1 96.93,66.5 96.93,68.36 ; Q310.1 105.82,66.5 105.82,69.39 Q309.1 ; 96.93,68.36 96.93,69 96.16,69.78 Q313.1 ; 96.93,68.36 96.93,67.53 v1(97.16,67.31) ; Q295.3 v1(67.04,66.94) Q296.3
  Bottom w0.25: v1(105.82,67.09) 105.44,66.71 104.49,66.71 103.89,67.31 v1(97.16,67.31) 96.52,66.67 92.08,66.67 91.81,66.94 v1(67.04,66.94)